# Altium PCB LimeSDR-PCIe_1v3.PcbDoc (part 1 of 10) (continued)
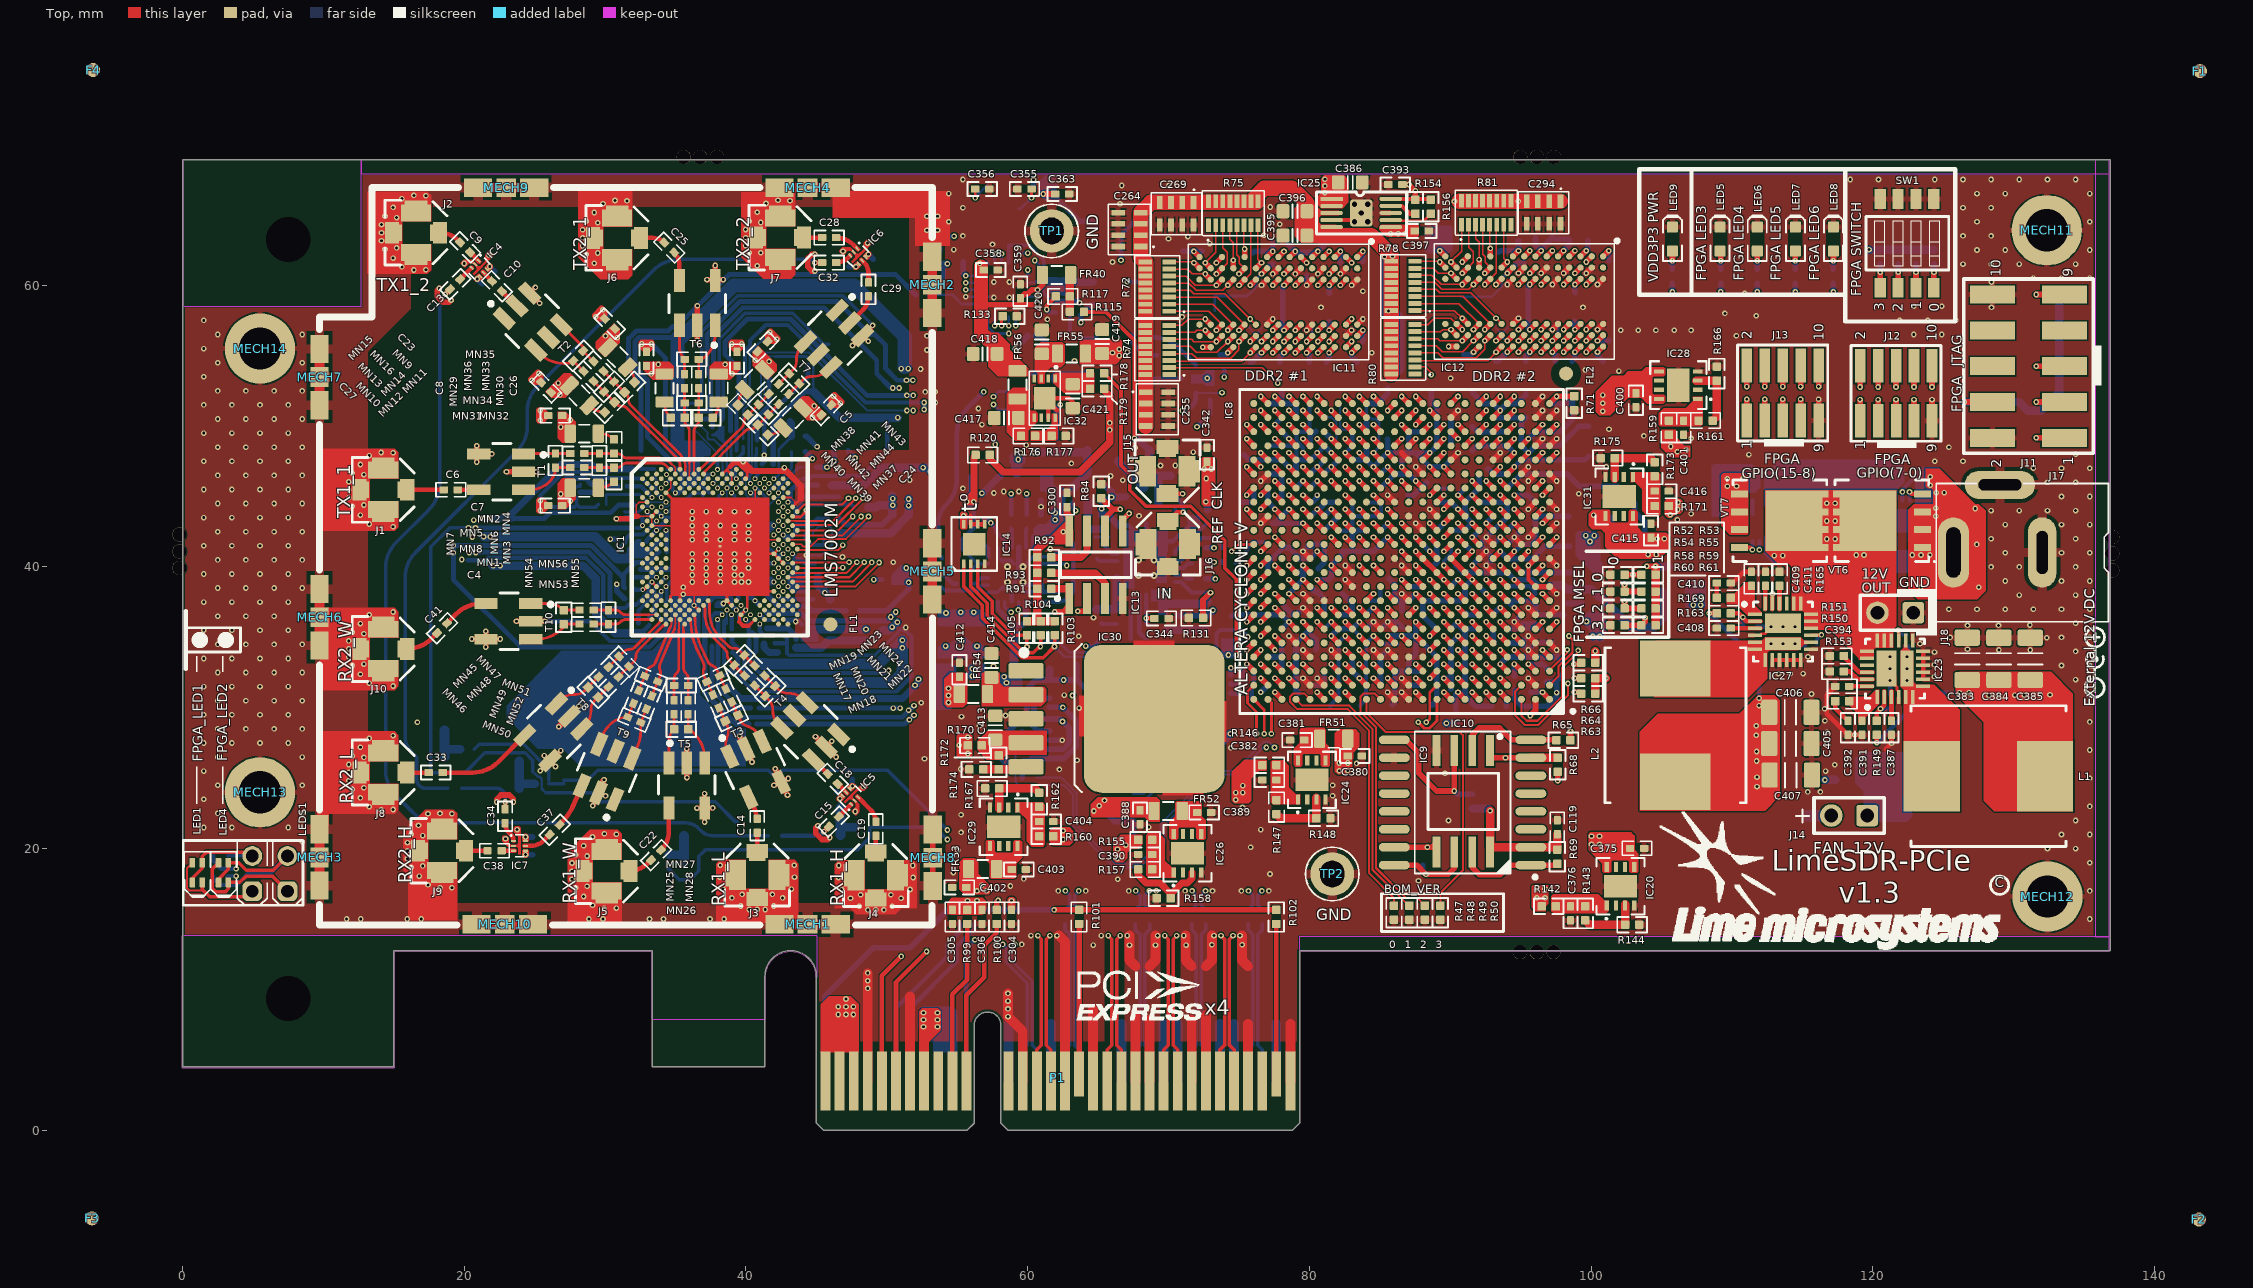
[diagram p0: Top view]
## Classes and differential pairs
net class LB_CTRL: TX1_2_LB_H TX1_2_LB_L TX1_2_LB_SH TX2_2_LB_H TX2_2_LB_L TX2_2_LB_SH
component class 06_LMS7002M_RF2: C23 C24 C25 C26 C27 C28 C29 C30 C31 C32 C33 C34 C35 C36 C37 C38 C39 C40 C41 IC6 IC7 J6 J7 J8 J9 J10 MN29 MN30 MN31 MN32 MN33 MN34 MN35 MN36 MN37 MN38 MN39 MN40 MN41 MN42 MN43 MN44 MN45 MN46 MN47 MN48 MN49 MN50 MN51 MN52 MN53 MN54 MN55 MN56 R17 R18 R19 RA4 RA5 RA6 T6 T7 T8 T9 T10 VT3 VT4
net class VCC3P3_CLK: VCC3P3_CLK
net class VDIO_LMK: VDIO_LMK
net class VCC3P3_LMK: VCC3P3_LMK
net class FPGA_CONF: FPGA_CONF_DONE FPGA_NCONFIG FPGA_NSTATUS
net class LMS_MISC: LMS_CORE_LDO_EN LMS_RESET LMS_RXEN LMS_TXEN
net class FPGA_DDR1_DQ: DDR2_2_DQ0 DDR2_2_DQ1 DDR2_2_DQ2 DDR2_2_DQ3 DDR2_2_DQ4 DDR2_2_DQ5 DDR2_2_DQ6 DDR2_2_DQ7 DDR2_2_DQ8 DDR2_2_DQ9 DDR2_2_DQ10 DDR2_2_DQ11 DDR2_2_DQ12 DDR2_2_DQ13 DDR2_2_DQ14 DDR2_2_DQ15
net class FPGA_DDR1_CTRL: DDR2_2_CASN DDR2_2_CKE DDR2_2_CSN DDR2_2_DM0 DDR2_2_DM1 DDR2_2_DQS0 DDR2_2_DQS0N DDR2_2_DQS1 DDR2_2_DQS1N DDR2_2_ODT DDR2_2_RASN DDR2_2_WEN VREF_DDR2
net class FPGA_DDR1_BA: DDR2_2_BA0 DDR2_2_BA1 DDR2_2_BA2
net class FPGA_DDR1_A: DDR2_2_A0 DDR2_2_A1 DDR2_2_A2 DDR2_2_A3 DDR2_2_A4 DDR2_2_A5 DDR2_2_A6 DDR2_2_A7 DDR2_2_A8 DDR2_2_A9 DDR2_2_A10 DDR2_2_A11 DDR2_2_A12
net class FPGA_DDR0_DQ: DDR2_1_DQ0 DDR2_1_DQ1 DDR2_1_DQ2 DDR2_1_DQ3 DDR2_1_DQ4 DDR2_1_DQ5 DDR2_1_DQ6 DDR2_1_DQ7 DDR2_1_DQ8 DDR2_1_DQ9 DDR2_1_DQ10 DDR2_1_DQ11 DDR2_1_DQ12 DDR2_1_DQ13 DDR2_1_DQ14 DDR2_1_DQ15
net class FPGA_DDR0_CTRL: DDR2_1_CASN DDR2_1_CKE DDR2_1_CSN DDR2_1_DM0 DDR2_1_DM1 DDR2_1_DQS0 DDR2_1_DQS0N DDR2_1_DQS1 DDR2_1_DQS1N DDR2_1_ODT DDR2_1_RASN DDR2_1_WEN VREF_DDR2
net class FPGA_DDR0_BA: DDR2_1_BA0 DDR2_1_BA1 DDR2_1_BA2
net class FPGA_DDR0_A: DDR2_1_A0 DDR2_1_A1 DDR2_1_A2 DDR2_1_A3 DDR2_1_A4 DDR2_1_A5 DDR2_1_A6 DDR2_1_A7 DDR2_1_A8 DDR2_1_A9 DDR2_1_A10 DDR2_1_A11 DDR2_1_A12
net class DDR2_2_DQS[0..1]: DDR2_2_DQS0 DDR2_2_DQS1
net class DDR2_2_DQ[0..15]: DDR2_2_DQ0 DDR2_2_DQ1 DDR2_2_DQ2 DDR2_2_DQ3 DDR2_2_DQ4 DDR2_2_DQ5 DDR2_2_DQ6 DDR2_2_DQ7 DDR2_2_DQ8 DDR2_2_DQ9 DDR2_2_DQ10 DDR2_2_DQ11 DDR2_2_DQ12 DDR2_2_DQ13 DDR2_2_DQ14 DDR2_2_DQ15
net class DDR2_2_DM[0..1]: DDR2_2_DM0 DDR2_2_DM1
net class DDR2_2_BA[0..2]: DDR2_2_BA0 DDR2_2_BA1 DDR2_2_BA2
net class DDR2_2_A[0..12]: DDR2_2_A0 DDR2_2_A1 DDR2_2_A2 DDR2_2_A3 DDR2_2_A4 DDR2_2_A5 DDR2_2_A6 DDR2_2_A7 DDR2_2_A8 DDR2_2_A9 DDR2_2_A10 DDR2_2_A11 DDR2_2_A12
net class DDR2_1_DQS[0..1]: DDR2_1_DQS0 DDR2_1_DQS1
net class DDR2_1_DQ[0..15]: DDR2_1_DQ0 DDR2_1_DQ1 DDR2_1_DQ2 DDR2_1_DQ3 DDR2_1_DQ4 DDR2_1_DQ5 DDR2_1_DQ6 DDR2_1_DQ7 DDR2_1_DQ8 DDR2_1_DQ9 DDR2_1_DQ10 DDR2_1_DQ11 DDR2_1_DQ12 DDR2_1_DQ13 DDR2_1_DQ14 DDR2_1_DQ15
net class DDR2_1_DM[0..1]: DDR2_1_DM0 DDR2_1_DM1
net class DDR2_1_CK: DDR2_1_CK_N DDR2_1_CK_P
net class DDR2_1_BA[0..2]: DDR2_1_BA0 DDR2_1_BA1 DDR2_1_BA2
net class DDR2_1_A[0..12]: DDR2_1_A0 DDR2_1_A1 DDR2_1_A2 DDR2_1_A3 DDR2_1_A4 DDR2_1_A5 DDR2_1_A6 DDR2_1_A7 DDR2_1_A8 DDR2_1_A9 DDR2_1_A10 DDR2_1_A11 DDR2_1_A12
component class 15_Clocks_2: C360 C361 C362 C363 C364 C365 FR47 FR48 FR49 XO4 XO5 XO6
component class 12_DDR2: C251 C252 C253 C254 C255 C256 C257 C258 C259 C260 C261 C262 C263 C264 C265 C266 C267 C268 C269 C270 C271 C272 C273 C274 C275 C276 C277 C278 C279 C280 C281 C282 C283 C284 C285 C286 C287 C288 C289 C290 C291 C292 C293 C294 C295 C296 C297 C298 C299 IC11 IC12 R72 R73 R74 R75 R76 R77 R78 R79 R80 R81 R82 R83
net class VTT_DDR2: VTT_DDR2
net class +1.8V_DIG_LMK: +1.8V_DIG_LMK
net class SI_CLK: SI_CLK0 SI_CLK1 SI_CLK2 SI_CLK3 SI_CLK4 SI_CLK5 SI_CLK6 SI_CLK7
component class 10_FPGA_misc: C110 C111 C112 C113 C114 C115 C116 C117 C118 C119 IC9 IC10 J11 R52 R53 R54 R55 R56 R57 R58 R59 R60 R61 R62 R63 R64 R65 R66 R67 R68 R69 R70
net class RX_RF: RXRF1_HAB_N RXRF1_HAB_P RXRF1_HBB_N RXRF1_HBB_P RXRF1_LAB_N RXRF1_LAB_P RXRF1_LBB_N RXRF1_LBB_P RXRF1_WAB_N RXRF1_WAB_P RXRF1_WBB_N RXRF1_WBB_P RXRF2_LAB_N RXRF2_LAB_P RXRF2_LBB_N RXRF2_LBB_P RXRF2_WAB_N RXRF2_WAB_P RXRF2_WBB_N RXRF2_WBB_P
net class TX_RF: TXRF1_1AB_N TXRF1_1AB_P TXRF1_1BB_N TXRF1_1BB_P TXRF1_2AB_N TXRF1_2AB_P TXRF1_2BB_N TXRF1_2BB_P TXRF2_1AB_N TXRF2_1AB_P TXRF2_1BB_N TXRF2_1BB_P TXRF2_2AB_N TXRF2_2AB_P TXRF2_2BB_N TXRF2_2BB_P
component class 07_LMS7002M_Power: C42 C43 C44 C45 C46 C47 C48 C49 C50 C51 C52 C53 C54 C55 C56 C57 C58 C59 C60 C61 C62 C63 C64 C65 C66 C67 C68 C69 C70 C71 C72 C73 C74 C75 C76 C77 C78 C79 C80 C81 C82 C83 C84 C85 C86 C87 C88 C89 C90 C91 C92 C93 C94 C95 C96 C97 C98 C99 C100 FR1 FR2 FR3 FR4 FR5 FR6 FR7 FR8 FR9 FR10 FR11 FR12 FR13 FR14 FR15 FR16 FR17 FR18 FR19 FR20 FR21 FR22 FR23 FR24 FR25 FR26 FR27 FR28 FR29 FR30 FR31 FR32 FR33 FR34 FR35 R20 R21 R22 R23 R24 R25 R26 R27 R28 R29 R30 R31 R32 R33 R34 R35 R36 R37 R38 R39
component class 05_LMS7002M_RF1: C4 C5 C6 C7 C8 C9 C10 C11 C12 C13 C14 C15 C16 C17 C18 C19 C20 C21 C22 IC4 IC5 J1 J2 J3 J4 J5 MECH1 MECH2 MECH3 MECH4 MECH5 MECH6 MECH7 MECH8 MECH9 MECH10 MECH? MN1 MN2 MN3 MN4 MN5 MN6 MN7 MN8 MN9 MN10 MN11 MN12 MN13 MN14 MN15 MN16 MN17 MN18 MN19 MN20 MN21 MN22 MN23 MN24 MN25 MN26 MN27 MN28 R14 R15 R16 RA1 RA2 RA3 T1 T2 T3 T4 T5 VT1 VT2
component class 13_Periphs: C300 C301 C302 C303 C304 C305 C306 C307 C308 C309 C310 C311 IC13 IC14 IC15 J12 J13 J14 LED1 LED4 LED5 LED6 LED7 LED8 LEDS1 P1 R84 R85 R86 R87 R88 R89 R90 R91 R92 R93 R94 R95 R96 R97 R98 R99 R100 R101 R102 R103 R104 R105 SW1 VT5
net class CLK_PATH: NetC180_1 NetC293_1 NetC312_1 NetC312_2 NetC313_1 NetIC16_3 NetIC16_5 NetR107_2 REF_CLK_IN RXPLL_CLK TXPLL_CLK
component class 04_LMS7002M_Misc: C1 C2 C3 FL1 IC1 IC2 IC3 R1 R2 R3 R4 R5 R6 R7 R8 R9 R10 R11 R12 R13
net class LMS_PORT1: LMS_DIQ1_D0 LMS_DIQ1_D1 LMS_DIQ1_D2 LMS_DIQ1_D3 LMS_DIQ1_D4 LMS_DIQ1_D5 LMS_DIQ1_D6 LMS_DIQ1_D7 LMS_DIQ1_D8 LMS_DIQ1_D9 LMS_DIQ1_D10 LMS_DIQ1_D11 LMS_ENABLE_IQSEL1 LMS_FCLK1 LMS_MCLK1 LMS_TXNRX1
net class LMS_PORT2: LMS_DIQ2_D0 LMS_DIQ2_D1 LMS_DIQ2_D2 LMS_DIQ2_D3 LMS_DIQ2_D4 LMS_DIQ2_D5 LMS_DIQ2_D6 LMS_DIQ2_D7 LMS_DIQ2_D8 LMS_DIQ2_D9 LMS_DIQ2_D10 LMS_DIQ2_D11 LMS_ENABLE_IQSEL2 LMS_FCLK2 LMS_MCLK2 LMS_TXNRX2
component class 16_BoardPowerSupply: C366 C367 C368 C369 C370 C371 C372 C373 C374 C375 C376 C377 C378 C379 C380 C381 C382 C383 C384 C385 C386 C387 C388 C389 C390 C391 C392 C393 C394 C395 C396 C397 C398 C399 C400 C401 C402 C403 C404 C405 C406 C407 C408 C409 C410 C411 C412 C413 C414 C415 C416 C417 C418 C419 C420 C421 C422 C423 C424 F1 F2 F3 F4 F5 F6 F7 F8 FR50 FR51 FR52 FR53 FR54 FR55 FR56 FR57 IC20 IC21 IC22 IC23 IC24 IC25 IC26 IC27 IC28 IC29 IC30 IC31 IC32 IC37 IC39 J17 J18 L1 L2 LED9 MECH11 MECH12 MECH13 MECH14 R138 R139 R140 R141 R142 R143 R144 R145 R146 R147 R148 R149 R150 R151 R152 R153 R154 R155 R156 R157 R158 R159 R160 R161 R162 R163 R164 R165 R166 R167 R168 R169 R170 R171 R172 R173 R174 R175 R176 R177 R178 R179 R203 R204 R205 R206 R207 R208 R209 R210 R211 R212 R213 R214 R215 R216 R217 R218 R219 TP1 TP2 VD1 VT6 VT7
component class 14_Clocks_1: C312 C313 C314 C315 C316 C317 C318 C319 C320 C321 C322 C323 C324 C325 C326 C327 C328 C329 C330 C331 C332 C333 C334 C335 C336 C337 C338 C339 C340 C341 C342 C343 C344 C345 C346 C347 C348 C349 C350 C351 C352 C353 C354 C355 C356 C357 C358 C359 FR40 FR41 FR42 FR43 FR44 FR45 FR46 IC16 IC17 IC18 IC19 J15 J16 R106 R107 R108 R109 R110 R111 R112 R113 R114 R115 R116 R117 R118 R119 R120 R121 R122 R123 R124 R125 R126 R127 R128 R129 R130 R131 R132 R133 R134 R135 R136 R137 XO1 XO2 XO3 XT1
net class FPGA_MSEL: MSEL0 MSEL1 MSEL2 MSEL3
net class FPGA_GPIO: FPGA_GPIO0 FPGA_GPIO1 FPGA_GPIO2 FPGA_GPIO3 FPGA_GPIO4 FPGA_GPIO5 FPGA_GPIO6 FPGA_GPIO7 FPGA_GPIO8 FPGA_GPIO9 FPGA_GPIO10 FPGA_GPIO11 FPGA_GPIO12 FPGA_GPIO13 FPGA_GPIO14 FPGA_GPIO15
net class FPGA_JTAG: FPGA_JTAG_TCK FPGA_JTAG_TDI FPGA_JTAG_TDO FPGA_JTAG_TMS NetJ11_7
net class FPGA_SPI0: FPGA_SPI0_LMS_SS FPGA_SPI0_MISO FPGA_SPI0_MOSI FPGA_SPI0_SCLK NetC1_1 NetIC1_D28 NetIC1_F28 NetIC1_F30
net class LMS_I2C: LMS_I2C_SCL LMS_I2C_SDA
net class VCC1P2: VCC1P2
net class VCC1P4_LMS: VCC1P4_LMS
net class VCC1P8_LMS: VCC1P8_LMS
net class VCC1P8: VCC1P8
net class VCC1P25_LMS_DIG: VCC1P25_LMS_DIG
net class VCC1P25_LMS: VCC1P25_LMS
net class VCC2P5: VCC2P5
net class VCC3P3: VCC3P3
net class VDIO_LMS_FPGA: VDIO_LMS_FPGA
net class VDIO_LMS: VDIO_LMS
component class 08_FPGA_banks_3_4_5: C101 C102 C103 C104 C105 C106 C107 C108 C109 FL2 IC8 R40 R41 R42 R43
component class 11_FPGA_power: C120 C121 C122 C123 C124 C125 C126 C127 C128 C129 C130 C131 C132 C133 C134 C135 C136 C137 C138 C139 C140 C141 C142 C143 C144 C145 C146 C147 C148 C149 C150 C151 C152 C153 C154 C155 C156 C157 C158 C159 C160 C161 C162 C163 C164 C165 C166 C167 C168 C169 C170 C171 C172 C173 C174 C175 C176 C177 C178 C179 C180 C181 C182 C183 C184 C185 C186 C187 C188 C189 C190 C191 C192 C193 C194 C195 C196 C197 C198 C199 C200 C201 C202 C203 C204 C205 C206 C207 C208 C209 C210 C211 C212 C213 C214 C215 C216 C217 C218 C219 C220 C221 C222 C223 C224 C225 C226 C227 C228 C229 C230 C231 C232 C233 C234 C235 C236 C237 C238 C239 C240 C241 C242 C243 C244 C245 C246 C247 C248 C249 C250 FR36 FR37 FR38 FR39 R71
net class VCC1P8_DDR2: VCC1P8_DDR2
component class 09_FPGA_banks_6_7_8: R44 R45 R46 R47 R48 R49 R50 R51
net class DDR2_2_CK: DDR2_2_CK_N DDR2_2_CK_P
net class FPGA_LEDS: FPGA_LED1_G FPGA_LED1_R FPGA_LED2_G FPGA_LED2_R FPGA_LED3 FPGA_LED4 FPGA_LED5 FPGA_LED6
net class FPGA_SW: FPGA_SW0 FPGA_SW1 FPGA_SW2 FPGA_SW3
net class FPGA_I2C: FPGA_I2C_SCL FPGA_I2C_SDA
net class FPGA_SPI: FPGA_SPI0_LMS_SS FPGA_SPI0_MISO FPGA_SPI0_MOSI FPGA_SPI0_SCLK FPGA_SPI1_ADF_SS FPGA_SPI1_DAC_SS FPGA_SPI1_MOSI FPGA_SPI1_SCLK
net class PCIE_MISC: PCIE_PERSTN PCIE_SMCLK PCIE_SMDAT PCIE_WAKEN
net class VCC12P0_PCIE: VCC12P0_PCIE
net class VCC12P0: VCC12P0
net class VCC2P5A_FPGA: VCC2P5A_FPGA
net class VCC3P3_PCIE: VCC3P3_PCIE
net class PCIE: PCIE_HSI0_IC_N PCIE_HSI0_IC_P PCIE_HSI0_N PCIE_HSI0_P PCIE_HSI1_IC_N PCIE_HSI1_IC_P PCIE_HSI1_N PCIE_HSI1_P PCIE_HSI2_IC_N PCIE_HSI2_IC_P PCIE_HSI2_N PCIE_HSI2_P PCIE_HSI3_IC_N PCIE_HSI3_IC_P PCIE_HSI3_N PCIE_HSI3_P PCIE_HSO0_N PCIE_HSO0_P PCIE_HSO1_N PCIE_HSO1_P PCIE_HSO2_N PCIE_HSO2_P PCIE_HSO3_N PCIE_HSO3_P
differential pair CLK125_FPGA: +CLK125_FPGA_P -CLK125_FPGA_N
differential pair PCIE_HSI1_IC: +PCIE_HSI1_IC_P -PCIE_HSI1_IC_N
differential pair PCIE_HSI3_IC: +PCIE_HSI3_IC_P -PCIE_HSI3_IC_N
differential pair PCIE_HSI2_IC: +PCIE_HSI2_IC_P -PCIE_HSI2_IC_N
differential pair PCIE_HSI0_IC: +PCIE_HSI0_IC_P -PCIE_HSI0_IC_N
differential pair PCIE_REFCLK: +PCIE_REFCLK_P -PCIE_REFCLK_N
differential pair PCIE_HSO3: +PCIE_HSO3_P -PCIE_HSO3_N
differential pair PCIE_HSO2: +PCIE_HSO2_P -PCIE_HSO2_N
differential pair PCIE_HSO1: +PCIE_HSO1_P -PCIE_HSO1_N
differential pair PCIE_HSO0: +PCIE_HSO0_P -PCIE_HSO0_N
differential pair PCIE_HSI3: +PCIE_HSI3_P -PCIE_HSI3_N
differential pair PCIE_HSI2: +PCIE_HSI2_P -PCIE_HSI2_N
differential pair PCIE_HSI1: +PCIE_HSI1_P -PCIE_HSI1_N
differential pair PCIE_HSI0: +PCIE_HSI0_P -PCIE_HSI0_N
differential pair SI5351_XTAL: +SI5351_XTAL_P -SI5351_XTAL_N
differential pair RXRF1_HAB: +RXRF1_HAB_P -RXRF1_HAB_N
differential pair RXRF1_HBB: +RXRF1_HBB_P -RXRF1_HBB_N
differential pair RXRF1_LAB: +RXRF1_LAB_P -RXRF1_LAB_N
differential pair RXRF1_LBB: +RXRF1_LBB_P -RXRF1_LBB_N
differential pair RXRF1_WAB: +RXRF1_WAB_P -RXRF1_WAB_N
differential pair RXRF1_WBB: +RXRF1_WBB_P -RXRF1_WBB_N
differential pair TXRF1_1AB: +TXRF1_1AB_P -TXRF1_1AB_N
differential pair TXRF1_1BB: +TXRF1_1BB_P -TXRF1_1BB_N
differential pair TXRF1_2AB: +TXRF1_2AB_P -TXRF1_2AB_N
differential pair TXRF1_2BB: +TXRF1_2BB_P -TXRF1_2BB_N
differential pair RXRF2_HAB: +RXRF2_HAB_P -RXRF2_HAB_N
differential pair RXRF2_HBB: +RXRF2_HBB_P -RXRF2_HBB_N
differential pair RXRF2_LAB: +RXRF2_LAB_P -RXRF2_LAB_N
differential pair RXRF2_LBB: +RXRF2_LBB_P -RXRF2_LBB_N
differential pair RXRF2_WAB: +RXRF2_WAB_P -RXRF2_WAB_N
differential pair RXRF2_WBB: +RXRF2_WBB_P -RXRF2_WBB_N
differential pair TXRF2_1AB: +TXRF2_1AB_P -TXRF2_1AB_N
differential pair TXRF2_1BB: +TXRF2_2BB_P -TXRF2_2BB_N
differential pair TXRF2_2AB: +TXRF2_2AB_P -TXRF2_2AB_N
differential pair TXRF2_2BB: +TXRF2_1BB_P -TXRF2_1BB_N
differential pair DDR2_1_CK: +DDR2_1_CK_P -DDR2_1_CK_N
differential pair DDR2_2_CK: +DDR2_2_CK_P -DDR2_2_CK_N

## Components (designator, comment, footprint, x,y, rotation, side; value= is the part's Value field where it differs from the comment)
C1 "10pF, 5%" CAP0402#1 43.625,50.324 r0 bottom
C2 "1uF, 10V" CAP0402#1 63.975,33.075 r0 bottom
C3 "1uF, 10V" CAP0402#1 61.05,32.9 r0 bottom
C4 "100nF, 10%" CAP0402#2 26.45,44.35 r0 top
C5 "100nF, 10%" CAP0402#2 41.181,55.641 r225 top
C6 "100nF, 16V" CAP0402#2 19.05,45.475 r0 top
C7 "100nF, 10%" CAP0402#2 26.459,50.738 r0 top
C8 "100nF, 10%" CAP0402#2 32.945,54.765 r270 top
C9 "100pF, 50V" CAP0402#2 20.059,62.686 r315 top
C10 "100pF, 50V" CAP0402#2 22.321,59.929 r315 top
C11 "47pF" CAP0402#1 21.628,59.738 r135 bottom
C12 "47pF" CAP0402#1 22.512,60.622 r135 bottom
C13 "100pF, 50V" CAP0402#2 19.352,60.07 r225 top
C14 "470pF, 50V" CAP0402#2 40.8,21.625 r90 top
C15 "100pF, 50V" CAP0402#2 46.24,21.921 r45 top
C16 "100pF, 50V" CAP0402#1 35.55,17.3 r270 bottom
C17 "100pF, 50V" CAP0402#1 49.85,21.025 r270 bottom
C18 "100pF, 50V" CAP0402#2 46.155,24.948 r135 top
C19 "100pF, 50V" CAP0402#2 49.216,21.4 r90 top
C20 "47pF" CAP0402#1 48.05,24.925 r180 bottom
C21 "47pF" CAP0402#1 45.95,24.025 r0 bottom
C22 "470pF, 50V" CAP0402#2 33.616,19.541 r45 top
C23 "100nF, 10%" CAP0402#2 30.331,57.267 r315 top
C24 "100nF, 10%" CAP0402#2 45.713,51.142 r225 top
C25 "100nF, 16V" CAP0402#2 34.55,62.675 r315 top
C26 "100nF, 10%" CAP0402#2 39.359,54.763 r270 top
C27 "100nF, 10%" CAP0402#2 25.806,52.742 r315 top
C28 "100pF, 50V" CAP0402#2 45.9,63.375 r0 top
C29 "100pF, 50V" CAP0402#2 48.7,59.7 r270 top
C30 "47pF" CAP0402#1 46.811,61.311 r0 bottom
C31 "47pF" CAP0402#1 49.393,61.491 r135 bottom
C32 "100pF, 50V" CAP0402#2 45.9,61.6 r180 top
C33 "470pF, 50V" CAP0402#2 17.975,25.4 r0 top
C34 "100pF, 50V" CAP0402#2 22.9,22.3 r270 top
C35 "100pF, 50V" CAP0402#1 27.05,25.1 r90 bottom
C36 "100pF, 50V" CAP0402#1 22.1,27.9 r90 bottom
C37 "100pF, 50V" CAP0402#2 26.421,21.346 r45 top
C38 "100pF, 50V" CAP0402#2 22.15,19.85 r0 top
C39 "47pF" CAP0402#1 25.345,19.575 r180 bottom
C40 "47pF" CAP0402#1 25.345,20.825 r180 bottom
C41 "470pF, 50V" CAP0402#2 18.422,35.653 r45 top
C42 "1uF, 20%" CAP0201 41.024,47.931 r0 bottom
C43 "1nF, 10%" CAP0201 44.175,37.986 r90 bottom
C44 "1uF, 20%" CAP0201 43.325,37.986 r90 bottom
C45 "1nF, 10%" CAP0201 43.449,40.256 r270 bottom
C46 "1uF, 20%" CAP0201 44.229,39.976 r270 bottom
C47 "1nF, 10%" CAP0201 44.474,42.356 r0 bottom
C48 "1uF, 20%" CAP0201 45.834,41.601 r0 bottom
C49 "1nF, 10%" CAP0201 43.75,45.57 r270 bottom
C50 "1uF, 20%" CAP0201 43.705,44.636 r0 bottom
C51 "1nF, 10%" CAP0201 42.474,40.431 r315 bottom
C52 "1uF, 20%" CAP0201 40.399,41.481 r180 bottom
C53 "1uF, 20%" CAP0201 36.781,51.351 r90 bottom
C54 "1uF, 20%" CAP0201 36.163,51.33 r90 bottom
C55 "1uF, 20%" CAP0201 38.275,50.1 r90 bottom
C56 "1uF, 20%" CAP0201 44.202,35.673 r135 bottom
C57 "1uF, 20%" CAP0201 37.899,36.986 r90 bottom
C58 "1uF, 20%" CAP0201 31.15,36.8 r270 bottom
C59 "1uF, 20%" CAP0201 32.324,43.506 r180 bottom
C60 "1uF, 20%" CAP0201 32.129,46.006 r90 bottom
C61 "1uF, 20%" CAP0201 29.799,44.431 r180 bottom
C62 "1uF, 20%" CAP0201 28.231,45.576 r90 bottom
C63 "1uF, 20%" CAP0201 42.554,36.236 r0 bottom
C64 "1uF, 20%" CAP0201 42.8,35.32 r270 bottom
C65 "1nF, 10%" CAP0201 43.524,43.264 r90 bottom
C66 "1uF, 20%" CAP0201 44.25,43.255 r90 bottom
C67 "1nF, 10%" CAP0201 44.449,44.706 r90 bottom
C68 "1uF, 20%" CAP0201 45.5,44.705 r90 bottom
C69 "1nF, 10%" CAP0201 40.699,40.556 r90 bottom
C70 "1uF, 20%" CAP0201 41.45,40.547 r90 bottom
C71 "1nF, 10%" CAP0201 40.699,39.456 r90 bottom
C72 "1uF, 20%" CAP0201 41.45,39.456 r90 bottom
C73 "1uF, 20%" CAP0201 37.974,47.681 r90 bottom
C74 "1uF, 20%" CAP0201 41.199,44.806 r0 bottom
C75 "1uF, 20%" CAP0201 41.124,47.006 r90 bottom
C76 "1uF, 20%" CAP0201 31.149,41.956 r180 bottom
C77 "1uF, 20%" CAP0201 38.25,38.18 r90 bottom
C78 "1uF, 20%" CAP0201 35.2,47.231 r90 bottom
C79 "1uF, 20%" CAP0201 37.531,44.976 r270 bottom
C80 "1uF, 20%" CAP0201 38.648,44.501 r270 bottom
C81 "1uF, 20%" CAP0201 39.492,44.684 r45 bottom
C82 "1uF, 20%" CAP0201 39.862,37.831 r180 bottom
C83 "1uF, 20%" CAP0201 42.049,34.856 r270 bottom
C84 "1uF, 20%" CAP0201 42.529,33.931 r0 bottom
C85 "1uF, 20%" CAP0201 40.199,35.056 r270 bottom
C86 "1uF, 20%" CAP0201 39.255,36.175 r0 bottom
C87 "1uF, 20%" CAP0201 38.724,33.156 r0 bottom
C88 "1uF, 20%" CAP0201 33.839,36.141 r270 bottom
C89 "1uF, 20%" CAP0201 32.099,36.706 r180 bottom
C90 "1uF, 20%" CAP0201 34.399,43.049 r0 bottom
C91 "1uF, 20%" CAP0201 31.325,43.67 r270 bottom
C92 "1uF, 20%" CAP0201 36.881,44.799 r90 bottom
C93 "1uF, 20%" CAP0201 33.374,45.541 r135 bottom
C94 "1uF, 20%" CAP0201 32.554,47.986 r90 bottom
C95 "1uF, 20%" CAP0201 39.794,48.799 r90 bottom
C96 "1uF, 20%" CAP0201 31.674,37.856 r180 bottom
C97 "1uF, 20%" CAP0201 32.575,39.548 r90 bottom
C98 "1uF, 20%" CAP0201 35.224,43.681 r0 bottom
C99 "1uF, 20%" CAP0201 35.074,39.031 r0 bottom
C100 "1uF, 20%" CAP0201 38.304,32.375 r0 bottom
C101 "100nF, 10%" CAP0402#1 76.525,45.575 r180 bottom
C102 "100nF, 10%" CAP0402#1 84.05,52.1 r90 bottom
C103 "100nF, 10%" CAP0402#1 84.55,46.575 r180 bottom
C104 "100nF, 10%" CAP0402#1 76.525,44.575 r180 bottom
C105 "100nF, 10%" CAP0402#1 86.075,52.675 r0 bottom
C106 "100nF, 10%" CAP0402#1 72.775,58.2 r180 bottom
C107 "100nF, 10%" CAP0402#1 90.25,59.175 r180 bottom
C108 "100nF, 10%" CAP0402#1 81.05,50.125 r90 bottom
C109 "100nF, 10%" CAP0402#1 72.775,59.225 r180 bottom
C110 "100nF, 10%" CAP0402#1 75.65,15.15 r270 bottom
C111 "100nF, 10%" CAP0402#1 76.65,15.15 r270 bottom
C112 "100nF, 10%" CAP0402#1 71.65,15.15 r270 bottom
C113 "100nF, 10%" CAP0402#1 106,40.025 r0 bottom
C114 "100nF, 10%" CAP0402#1 72.65,15.15 r270 bottom
C115 "100nF, 10%" CAP0402#1 67.65,15.15 r270 bottom
C116 "100nF, 10%" CAP0402#1 68.65,15.15 r270 bottom
C117 "100nF, 10%" CAP0402#1 62.65,15.15 r270 bottom
C118 "100nF, 10%" CAP0402#1 63.65,15.15 r270 bottom
C119 "100nF, 10%" CAP0402#2 97.6,21.525 r90 top
C120 "220uF, 4V" CAP1206#1 77.05,41.325 r0 bottom
C121 "220uF, 4V" CAP1206#1 99.975,41.475 r180 bottom
C122 "220uF, 4V" CAP1206#1 82.35,39.6 r90 bottom
C123 "10uF, 6.3V" CAP0603#1 91.725,29.175 r90 bottom
C124 "4.7uF, 6.3V" CAP0402#1 82.55,44.6 r180 bottom
C125 "1uF, 10%" CAP0402#1 93.075,38.125 r270 bottom
C126 "100nF, 10%" CAP0402#1 82.075,48.1 r90 bottom
C127 "220uF, 4V" CAP1206#1 79.225,29.55 r90 bottom
C128 "220uF, 4V" CAP1206#1 101.325,47.85 r180 bottom
C129 "10uF, 6.3V" CAP0603#1 91.95,47.175 r0 bottom
C130 "4.7uF, 6.3V" CAP0402#1 80.475,33.675 r90 bottom
C131 "1uF, 10%" CAP0402#1 92.6,41.625 r180 bottom
C132 "100nF, 10%" CAP0402#1 94.075,38.125 r90 bottom
C133 "220uF, 4V" CAP1206#1 102.325,45.725 r180 bottom
C134 "220uF, 4V" CAP1206#1 101.325,49.975 r180 bottom
C135 "10uF, 6.3V" CAP0603#1 95.35,51.45 r270 bottom
C136 "4.7uF, 6.3V" CAP0402#1 103.95,43.9 r180 bottom
C137 "1uF, 10%" CAP0402#1 94.075,42.075 r90 bottom
C138 "100nF, 10%" CAP0402#1 94,45.1 r270 bottom
C139 "220uF, 4V" CAP1206#1 87,46.6 r90 bottom
C140 "100uF, 6.3V" CAP1206#1 90.15,52.45 r180 bottom
C141 "10uF, 6.3V" CAP0603#1 76.55,43.25 r0 bottom
C142 "4.7uF, 6.3V" CAP0402#1 85.675,49.95 r270 bottom
C143 "1uF, 10%" CAP0402#1 80.1,48.1 r270 bottom
C144 "100nF, 10%" CAP0402#1 83.05,50.1 r90 bottom
C145 "220uF, 4V" CAP1206#1 99.925,43.575 r180 bottom
C146 "100uF, 6.3V" CAP1206#1 75.35,49.475 r270 bottom
C147 "10uF, 6.3V" CAP0603#1 91.55,49.1 r270 bottom
C148 "4.7uF, 6.3V" CAP0402#1 95.05,35.075 r90 bottom
C149 "1uF, 10%" CAP0402#1 93.05,45.05 r90 bottom
C150 "100nF, 10%" CAP0402#1 89.025,45.075 r90 bottom
C151 "220uF, 4V" CAP1206#1 102.025,37.9 r180 bottom
C152 "100uF, 6.3V" CAP1206#1 100.2,51.925 r180 bottom
C153 "10uF, 6.3V" CAP0603#1 89.55,39.95 r0 bottom
C154 "4.7uF, 6.3V" CAP0402#1 96.55,44.575 r180 bottom
C155 "1uF, 10%" CAP0402#1 92.05,39.075 r90 bottom
C156 "100nF, 10%" CAP0402#1 95.05,43.1 r270 bottom
C157 "100uF, 6.3V" CAP1206#1 85.9,28.725 r90 bottom
C158 "100uF, 6.3V" CAP1206#1 88.725,28.675 r90 bottom
C159 "10uF, 6.3V" CAP0603#1 84.8,39.175 r0 bottom
C160 "4.7uF, 6.3V" CAP0402#1 85.05,43.05 r270 bottom
C161 "1uF, 10%" CAP0402#1 88.475,35.625 r180 bottom
C162 "100nF, 10%" CAP0402#1 88.05,32.15 r270 bottom
C163 "100uF, 6.3V" CAP1206#1 83.6,28.65 r90 bottom
C164 "100uF, 6.3V" CAP1206#1 81.475,28.65 r90 bottom
C165 "10uF, 6.3V" CAP0603#1 80.625,39.025 r270 bottom
C166 "4.7uF, 6.3V" CAP0402#1 86.15,34 r90 bottom
C167 "1uF, 10%" CAP0402#1 92.525,36.625 r0 bottom
C168 "100nF, 10%" CAP0402#1 78.55,39.6 r180 bottom
C169 "100nF, 10%" CAP0402#1 94.05,51.125 r90 bottom
C170 "100nF, 10%" CAP0402#1 93.075,51.125 r90 bottom
C171 "100nF, 10%" CAP0402#1 98.575,45.8 r270 bottom
C172 "100nF, 10%" CAP0402#1 104.298,42.586 r0 bottom
C173 "100nF, 10%" CAP0402#1 104.298,41.439 r0 bottom
C174 "100nF, 10%" CAP0402#1 94.525,36.625 r0 bottom
C175 "100nF, 10%" CAP0402#1 82.575,32.625 r0 bottom
C176 "100nF, 10%" CAP0402#1 83.05,36.125 r90 bottom
C177 "100nF, 10%" CAP0402#1 82.05,36.125 r90 bottom
C178 "100nF, 10%" CAP0402#1 82.575,33.625 r0 bottom
C179 "100nF, 10%" CAP0402#1 81.575,31.6 r180 bottom
C180 "100nF, 10%" CAP0402#1 79.05,37.1 r270 bottom
C181 "100nF, 10%" CAP0402#1 84.575,32.6 r0 bottom
C182 "100nF, 10%" CAP0402#1 84.575,33.6 r0 bottom
C183 "100nF, 10%" CAP0402#1 99.325,37.9 r270 bottom
C184 "100nF, 10%" CAP0402#1 98.35,37.9 r270 bottom
C185 "100nF, 10%" CAP0402#1 97.025,52.075 r90 bottom
C186 "100nF, 10%" CAP0402#1 97.1,38.1 r270 bottom
C187 "100nF, 10%" CAP0402#1 97,50.1 r90 bottom
C188 "100nF, 10%" CAP0402#1 90.025,45.075 r90 bottom
C189 "100nF, 10%" CAP0402#1 77.1,47.1 r270 bottom
C190 "100nF, 10%" CAP0402#1 96.025,35.075 r270 bottom
C191 "100nF, 10%" CAP0402#1 93.05,49.1 r90 bottom
C192 "100nF, 10%" CAP0402#1 78.05,35.1 r270 bottom
C193 "100nF, 10%" CAP0402#1 94.05,35.1 r270 bottom
C194 "100nF, 10%" CAP0402#1 94.05,49.075 r90 bottom
C195 "100nF, 10%" CAP0402#1 82.05,52.1 r90 bottom
C196 "100nF, 10%" CAP0402#1 77,49.1 r90 bottom
C197 "100nF, 10%" CAP0402#1 79.1,43.3 r90 bottom
C198 "100nF, 10%" CAP0402#1 89.55,49.6 r0 bottom
C199 "100nF, 10%" CAP0402#1 90,48.1 r90 bottom
C200 "100nF, 10%" CAP0402#1 81.05,48.05 r270 bottom
C201 "100nF, 10%" CAP0402#1 89.575,50.575 r0 bottom
C202 "100nF, 10%" CAP0402#1 84.075,49.1 r90 bottom
C203 "100nF, 10%" CAP0402#1 80.075,42.075 r270 bottom
C204 "100nF, 10%" CAP0402#1 87.05,50.1 r90 bottom
C205 "100nF, 10%" CAP0402#1 88.05,50.1 r90 bottom
C206 "100nF, 10%" CAP0402#1 78.55,46.6 r180 bottom
C207 "100nF, 10%" CAP0402#1 98.575,47.95 r90 bottom
C208 "100nF, 10%" CAP0402#1 78.55,33.6 r180 bottom
C209 "100nF, 10%" CAP0402#1 80.05,36.1 r90 bottom
C210 "100nF, 10%" CAP0402#1 79.575,51.575 r180 bottom
C211 "100nF, 10%" CAP0402#1 78.55,32.625 r180 bottom
C212 "100nF, 10%" CAP0402#1 79.075,50.1 r90 bottom
C213 "100nF, 10%" CAP0402#1 86.625,43.625 r0 bottom
C214 "100nF, 10%" CAP0402#1 90.05,42.1 r90 bottom
C215 "100nF, 10%" CAP0402#1 92.55,40.6 r0 bottom
C216 "100nF, 10%" CAP0402#1 80.55,46.6 r180 bottom
C217 "100nF, 10%" CAP0402#1 81.575,42.575 r0 bottom
C218 "100nF, 10%" CAP0402#1 92.925,29.6 r270 bottom
C219 "100nF, 10%" CAP0402#1 97.075,42.075 r90 bottom
C220 "100nF, 10%" CAP0402#1 91.05,42.125 r90 bottom
C221 "100nF, 10%" CAP0402#1 92.525,35.625 r0 bottom
C222 "100nF, 10%" CAP0402#1 88.074,38.125 r270 bottom
C223 "100nF, 10%" CAP0402#1 89.025,38.125 r270 bottom
C224 "100nF, 10%" CAP0402#1 84.05,43.05 r90 bottom
C225 "100nF, 10%" CAP0402#1 91.525,43.6 r180 bottom
C226 "100nF, 10%" CAP0402#1 82.55,46.6 r0 bottom
C227 "100nF, 10%" CAP0402#1 80.55,43.55 r0 bottom
C228 "100nF, 10%" CAP0402#1 86.575,36.225 r270 bottom
C229 "100nF, 10%" CAP0402#1 85.55,31.6 r180 bottom
C230 "100nF, 10%" CAP0402#1 85.525,37.6 r180 bottom
C231 "100nF, 10%" CAP0402#1 89.575,31.575 r0 bottom
C232 "100nF, 10%" CAP0402#1 89.575,33.6 r0 bottom
C233 "100nF, 10%" CAP0402#1 89.575,32.625 r0 bottom
C234 "100nF, 10%" CAP0402#1 87.05,32.15 r270 bottom
C235 "100nF, 10%" CAP0402#1 88.575,41.575 r0 bottom
C236 "100nF, 10%" CAP0402#1 89.025,43.1 r90 bottom
C237 "100nF, 10%" CAP0402#1 93.525,43.575 r0 bottom
C238 "100nF, 10%" CAP0402#1 92.575,42.575 r0 bottom
C239 "100nF, 10%" CAP0402#1 86.575,40.6 r180 bottom
C240 "100nF, 10%" CAP0402#1 85.075,36.1 r270 bottom
C241 "100nF, 10%" CAP0402#1 77.025,39.1 r270 bottom
C242 "100nF, 10%" CAP0402#1 91.575,45.575 r0 bottom
C243 "100nF, 10%" CAP0402#1 85.075,41.1 r270 bottom
C244 "100nF, 10%" CAP0402#1 91.55,37.625 r180 bottom
C245 "100nF, 10%" CAP0402#1 90.05,35.075 r270 bottom
C246 "100nF, 10%" CAP0402#1 88.525,36.625 r180 bottom
C247 "100nF, 10%" CAP0402#1 85.075,45.125 r270 bottom
C248 "100nF, 10%" CAP0402#1 90.05,38.125 r270 bottom
C249 "100nF, 10%" CAP0402#1 84.075,36.15 r270 bottom
C250 "100nF, 10%" CAP0402#1 82.6,43.6 r0 bottom
C251 "100nF, 10%" CAP0402#1 75.575,54.025 r270 bottom
C252 "100nF, 10%" CAP0402#1 77.4,54.55 r180 bottom
C253 "100nF, 10%" CAP0402#1 79.5,54.55 r180 bottom
C254 "100nF, 10%" CAP0402#1 77.6,59.4 r180 bottom
C255 "0.1uF" CKCA43X7R1C104M100AA 69.175,51.2 r0 top
C256 "100nF, 10%" CAP0402#1 81.925,59.425 r0 bottom
C257 "100nF, 10%" CAP0402#1 73.175,55.075 r180 bottom
C258 "100nF, 10%" CAP0402#1 81.7,61.6 r180 bottom
C259 "100nF, 10%" CAP0402#1 83.8,61.2 r270 bottom
C260 "100nF, 10%" CAP0402#1 81.4,57.9 r90 bottom
C261 "100nF, 10%" CAP0402#1 81.7,54.55 r0 bottom
C262 "100nF, 10%" CAP0402#1 83.9,54.55 r0 bottom
C263 "100nF, 10%" CAP0402#1 78.4,63.6 r90 bottom
C264 "0.1uF" CKCA43X7R1C104M100AA 67.225,63.95 r180 top
C265 "100nF, 10%" CAP0402#1 81,63.7 r90 bottom
C266 "100nF, 10%" CAP0402#1 71,61.9 r270 bottom
C267 "100nF, 10%" CAP0402#1 77.4,63.6 r90 bottom
C268 "100nF, 10%" CAP0402#1 76,61.8 r270 bottom
C269 "0.1uF" CKCA43X7R1C104M100AA 70.575,65.075 r270 top
C270 "10uF, 6.3V" CAP0603#1 79.825,61.5 r90 bottom
C271 "4.7uF, 6.3V" CAP0402#1 78.6,57.4 r180 bottom
C272 "1uF, 10%" CAP0402#1 77.6,58.4 r0 bottom
C273 "100nF, 10%" CAP0402#1 72.9,62.4 r0 bottom
C274 "100nF, 10%" CAP0402#1 77.9,61.5 r0 bottom
C275 "220uF, 4V" CAP1206#1 89.125,65.125 r270 bottom
C276 "100nF, 10%" CAP0402#1 95.05,59.4 r180 bottom
C277 "100nF, 10%" CAP0402#1 96.05,63.85 r90 bottom
C278 "100nF, 10%" CAP0402#1 95.05,58.4 r180 bottom
C279 "100nF, 10%" CAP0402#1 101.35,54.6 r0 bottom
C280 "0.1uF" CKCA43X7R1C104M100AA 87,55.325 r0 bottom
C281 "100nF, 10%" CAP0402#1 96.05,57.4 r0 bottom
C282 "100nF, 10%" CAP0402#1 93.45,61.85 r270 bottom
C283 "100nF, 10%" CAP0402#1 90.35,62.45 r0 bottom
C284 "100nF, 10%" CAP0402#1 94.85,63.65 r90 bottom
C285 "0.1uF" CKCA43X7R1C104M100AA 86.425,60.325 r0 bottom
C286 "100nF, 10%" CAP0402#1 101.25,61.25 r270 bottom
C287 "100nF, 10%" CAP0402#1 100.25,63.15 r0 bottom
C288 "100nF, 10%" CAP0402#1 98.85,57.95 r90 bottom
C289 "100nF, 10%" CAP0402#1 99.375,59.475 r0 bottom
C290 "100nF, 10%" CAP0402#1 88.45,61.95 r270 bottom
C291 "100nF, 10%" CAP0402#1 90.45,55.05 r180 bottom
C292 "100nF, 10%" CAP0402#1 96.95,54.6 r180 bottom
C293 "100nF, 10%" CAP0402#1 99.15,54.6 r0 bottom
C294 "0.1uF" CKCA43X7R1C104M100AA 96.625,65.15 r270 top
C295 "10uF, 6.3V" CAP0603#1 97.25,64.25 r270 bottom
C296 "4.7uF, 6.3V" CAP0402#1 92.75,54.6 r0 bottom
C297 "1uF, 10%" CAP0402#1 94.85,54.6 r0 bottom
C298 "100nF, 10%" CAP0402#1 98.45,63.75 r90 bottom
C299 "100nF, 10%" CAP0402#1 95.7,61.6 r0 bottom
C300 "100nF, 10%" CAP0402#2 62.8,44.75 r90 top
C301 "22nF, 50V" CAP0402#1 114.825,22.325 r180 bottom
C302 "100nF, 10%" CAP0402#1 54.95,43 r180 bottom
C303 "100nF, 10%" CAP0402#1 68,20.9 r0 bottom
C304 "100nF, 10%" CAP0402#2 58.85,15.15 r270 top
C305 "100nF, 10%" CAP0402#2 54.65,15.15 r270 top
C306 "100nF, 10%" CAP0402#2 56.75,15.15 r270 top
C307 "22nF, 50V" CAP0402#1 110.6,47.475 r90 bottom
C308 "22nF, 50V" CAP0402#1 108.375,43.925 r180 bottom
C309 "22nF, 50V" CAP0402#1 108.6,47.475 r90 bottom
C310 "22nF, 50V" CAP0402#1 108.375,44.925 r180 bottom
C311 "22nF, 50V" CAP0402#1 109.6,47.475 r90 bottom
C312 "100nF, 10%" CAP0402#1 53.9,40.125 r90 bottom
C313 "100nF, 10%" CAP0402#1 55.45,38.8 r180 bottom
C314 "100nF, 10%" CAP0402#1 53.875,38.1 r90 bottom
C315 "47pF" CAP0402#1 58.325,44.75 r0 bottom
C316 "47pF" CAP0402#1 60.425,44.75 r180 bottom
C317 "100nF, 16V" CAP0402#1 70.675,46.475 r180 bottom
C318 "1uF, 10V" CAP0402#1 68.775,44.575 r0 bottom
C319 "4.7uF, 6.3V" CAP0402#1 55.45,40.675 r0 bottom
C320 "100nF, 16V" CAP0402#1 62.25,40.712 r270 bottom
C321 "100pF, 50V" CAP0402#1 55.45,39.75 r0 bottom
C322 "100pF, 50V" CAP0402#1 62.25,38.725 r90 bottom
C323 "1uF, 10V" CAP0402#1 62.5,57.15 r0 bottom
C324 "100nF, 16V" CAP0402#1 63.425,55.75 r90 bottom
C325 "18nF, 16V" CAP0402#1 69.725,55.025 r180 bottom
C326 "4.7uF, 6.3V" CAP0402#1 62.225,45.725 r270 bottom
C327 "100nF, 10%" CAP0402#1 56.875,43.812 r270 bottom
C328 "100pF, 5%" CAP0402#1 57.875,43.2 r270 bottom
C329 "100pF, 5%" CAP0402#1 60.95,43.212 r270 bottom
C330 "4.7uF, 6.3V" CAP0402#1 58.5,34.875 r0 bottom
C331 "100nF, 16V" CAP0402#1 60.05,35.825 r90 bottom
C332 "100pF, 50V" CAP0402#1 58.5,35.875 r0 bottom
C333 "100pF, 50V" CAP0402#1 58.5,33.875 r0 bottom
C334 "4.7uF, 6.3V" CAP0402#1 70.161,33.36 r0 bottom
C335 "100nF, 10%" CAP0402#1 73.039,29.857 r0 bottom
C336 "100pF, 5%" CAP0402#1 65.3,42.125 r90 bottom
C337 "100pF, 5%" CAP0402#1 63.75,41.625 r180 bottom
C338 "100nF, 10%" CAP0402#1 64.75,44.675 r0 bottom
C339 "100nF, 10%" CAP0402#1 64.75,43.675 r0 bottom
C340 "100pF, 5%" CAP0402#1 70.625,36.05 r270 bottom
C341 "100pF, 5%" CAP0402#1 72.75,36.05 r270 bottom
C342 "100pF, 5%" CAP0402#2 72.725,47.975 r90 top
C343 "100pF, 5%" CAP0402#1 73.3,37.575 r0 bottom
C344 "100pF, 5%" CAP0402#2 69.5,36.35 r180 top
C345 "100nF, 10%" CAP0402#1 69.1,35.85 r0 bottom
C346 "1nF, 10%" CAP0402#1 68.95,43.1 r180 bottom
C347 "1nF, 10%" CAP0402#1 70.4,44.65 r270 bottom
C348 "22pF, 5%" CAP0402#1 64.75,34.95 r0 bottom
C349 "22pF, 5%" CAP0402#1 66.825,35.95 r0 bottom
C350 "22pF, 5%" CAP0402#1 66.825,36.95 r0 bottom
C351 "220pF, 10%" CAP0402#1 64.425,40.575 r180 bottom
C352 "10pF, 5%" CAP0402#1 73.8,40.85 r90 bottom
C353 "100nF, 10%" CAP0402#1 55.425,62.15 r90 bottom
C354 "100nF, 10%" CAP0402#1 58.65,63.35 r90 bottom
C355 "10pF, 5%" CAP0402#2 59.775,66.825 r0 top
C356 "10pF, 5%" CAP0402#2 56.775,66.825 r180 top
C357 "100nF, 10%" CAP0402#1 65.15,45.675 r180 bottom
C358 "100nF, 10%" CAP0402#2 57.375,61.075 r0 top
C359 "100nF, 10%" CAP0402#2 59.475,59.575 r90 top
C360 "4.7uF, 6.3V" CAP0402#1 61.726,60.75 r270 bottom
C361 "100nF, 10%" CAP0402#1 62.751,60.75 r90 bottom
C362 "4.7uF, 6.3V" CAP0402#1 62.323,66.399 r180 bottom
C363 "100nF, 10%" CAP0402#2 62.448,66.476 r0 top
C364 "4.7uF, 6.3V" CAP0402#1 61.85,55.875 r180 bottom
C365 "100nF, 10%" CAP0402#1 61.85,54.875 r0 bottom
C366 "4.7uF, 6.3V" CAP0402#1 56.625,35.675 r90 bottom
C367 "100nF, 10%" CAP0402#1 53.975,35.675 r270 bottom
C368 "10uF, 25V" CAP0603#1 115.78,48.014 r270 bottom
C369 "10uF, 25V" CAP0603#1 114.26,48.014 r270 bottom
C370 "10uF, 25V" CAP0603#1 117.3,48.014 r270 bottom
C371 "10uF, 25V" CAP0603#1 120.34,48.014 r270 bottom
C372 "10uF, 25V" CAP0603#1 118.82,48.014 r270 bottom
C373 "22nF, 50V" CAP0402#1 115.725,41.3 r270 bottom
C374 "22nF, 50V" CAP0402#1 128,41.025 r0 bottom
C375 "4.7uF, 6.3V" CAP0402#2 103.262,20.025 r180 top
C376 "4.7uF, 6.3V" CAP0402#2 98.537,15.4 r90 top
C377 "22nF, 50V" CAP0402#1 120.3,38.725 r90 bottom
C378 "100nF, 10%" CAP0402#1 122.424,34.676 r270 bottom
C379 "10uF, 25V" CAP0603#1 118.725,37.475 r270 bottom
C380 "4.7uF, 6.3V" CAP0402#2 83.225,26.575 r180 top
C381 "4.7uF, 6.3V" CAP0402#2 79.125,27.7 r0 top
C382 "4.7uF, 6.3V" CAP0402#2 77.163,24.875 r0 top
C383 "100uF, 6.3V" CAP1206#2 126.699,33.476 r270 top
C384 "100uF, 6.3V" CAP1206#2 128.953,33.47 r270 top
C385 "100uF, 6.3V" CAP1206#2 131.179,33.474 r270 top
C386 "10uF, 6.3V" CAP0603#2 82.9,67.3 r180 top
C387 "1uF, 10%" CAP0402#2 121.324,28.576 r270 top
C388 "4.7uF, 6.3V" CAP0402#2 67.975,22.225 r90 top
C389 "4.7uF, 6.3V" CAP0402#2 72.525,22.575 r180 top
C390 "4.7uF, 6.3V" CAP0402#2 68.338,19.575 r0 top
C391 "4.7pF" CAP0402#2 119.229,28.574 r270 top
C392 "1200pF" CAP0402#2 118.229,28.574 r270 top
C393 "4.7uF, 6.3V" CAP0402#2 86.1,67.15 r0 top
C394 "22nF, 50V" CAP0402#2 117.824,31.526 r180 top
C395 "10uF, 6.3V" CAP0603#2 78.975,63.525 r0 top
C396 "10uF, 6.3V" CAP0603#2 78.975,65.25 r0 top
C397 "100nF, 10%" CAP0402#2 87.975,63.85 r0 top
C398 "100nF, 10%" CAP0402#1 115.525,34.55 r180 bottom
C399 "10uF, 25V" CAP0603#1 119.48,35.18 r0 bottom
C400 "4.7uF, 6.3V" CAP0402#2 103.175,51.825 r90 top
C401 "4.7uF, 6.3V" CAP0402#2 106.575,49.888 r90 top
C402 "4.7uF, 6.3V" CAP0402#2 55.15,17.25 r0 top